# Altium PCB AIM2 REVB.PcbDoc (part 1 of 4)
Units mil, origin at the board's own origin, x right, y up, seen from the top; angles counter-clockwise.
Board outline 3797.01 x 3628.62 mil, 8 copper layers (TOP Copper, Internal Plane 2, Inner Layer 1, Internal Plane 4, Internal Plane 3, Inner Layer 2, Internal Plane 1, BOT Copper), stack 61.4 mil thick; 240 components, 185 nets, 1122 pads, 620 vias.
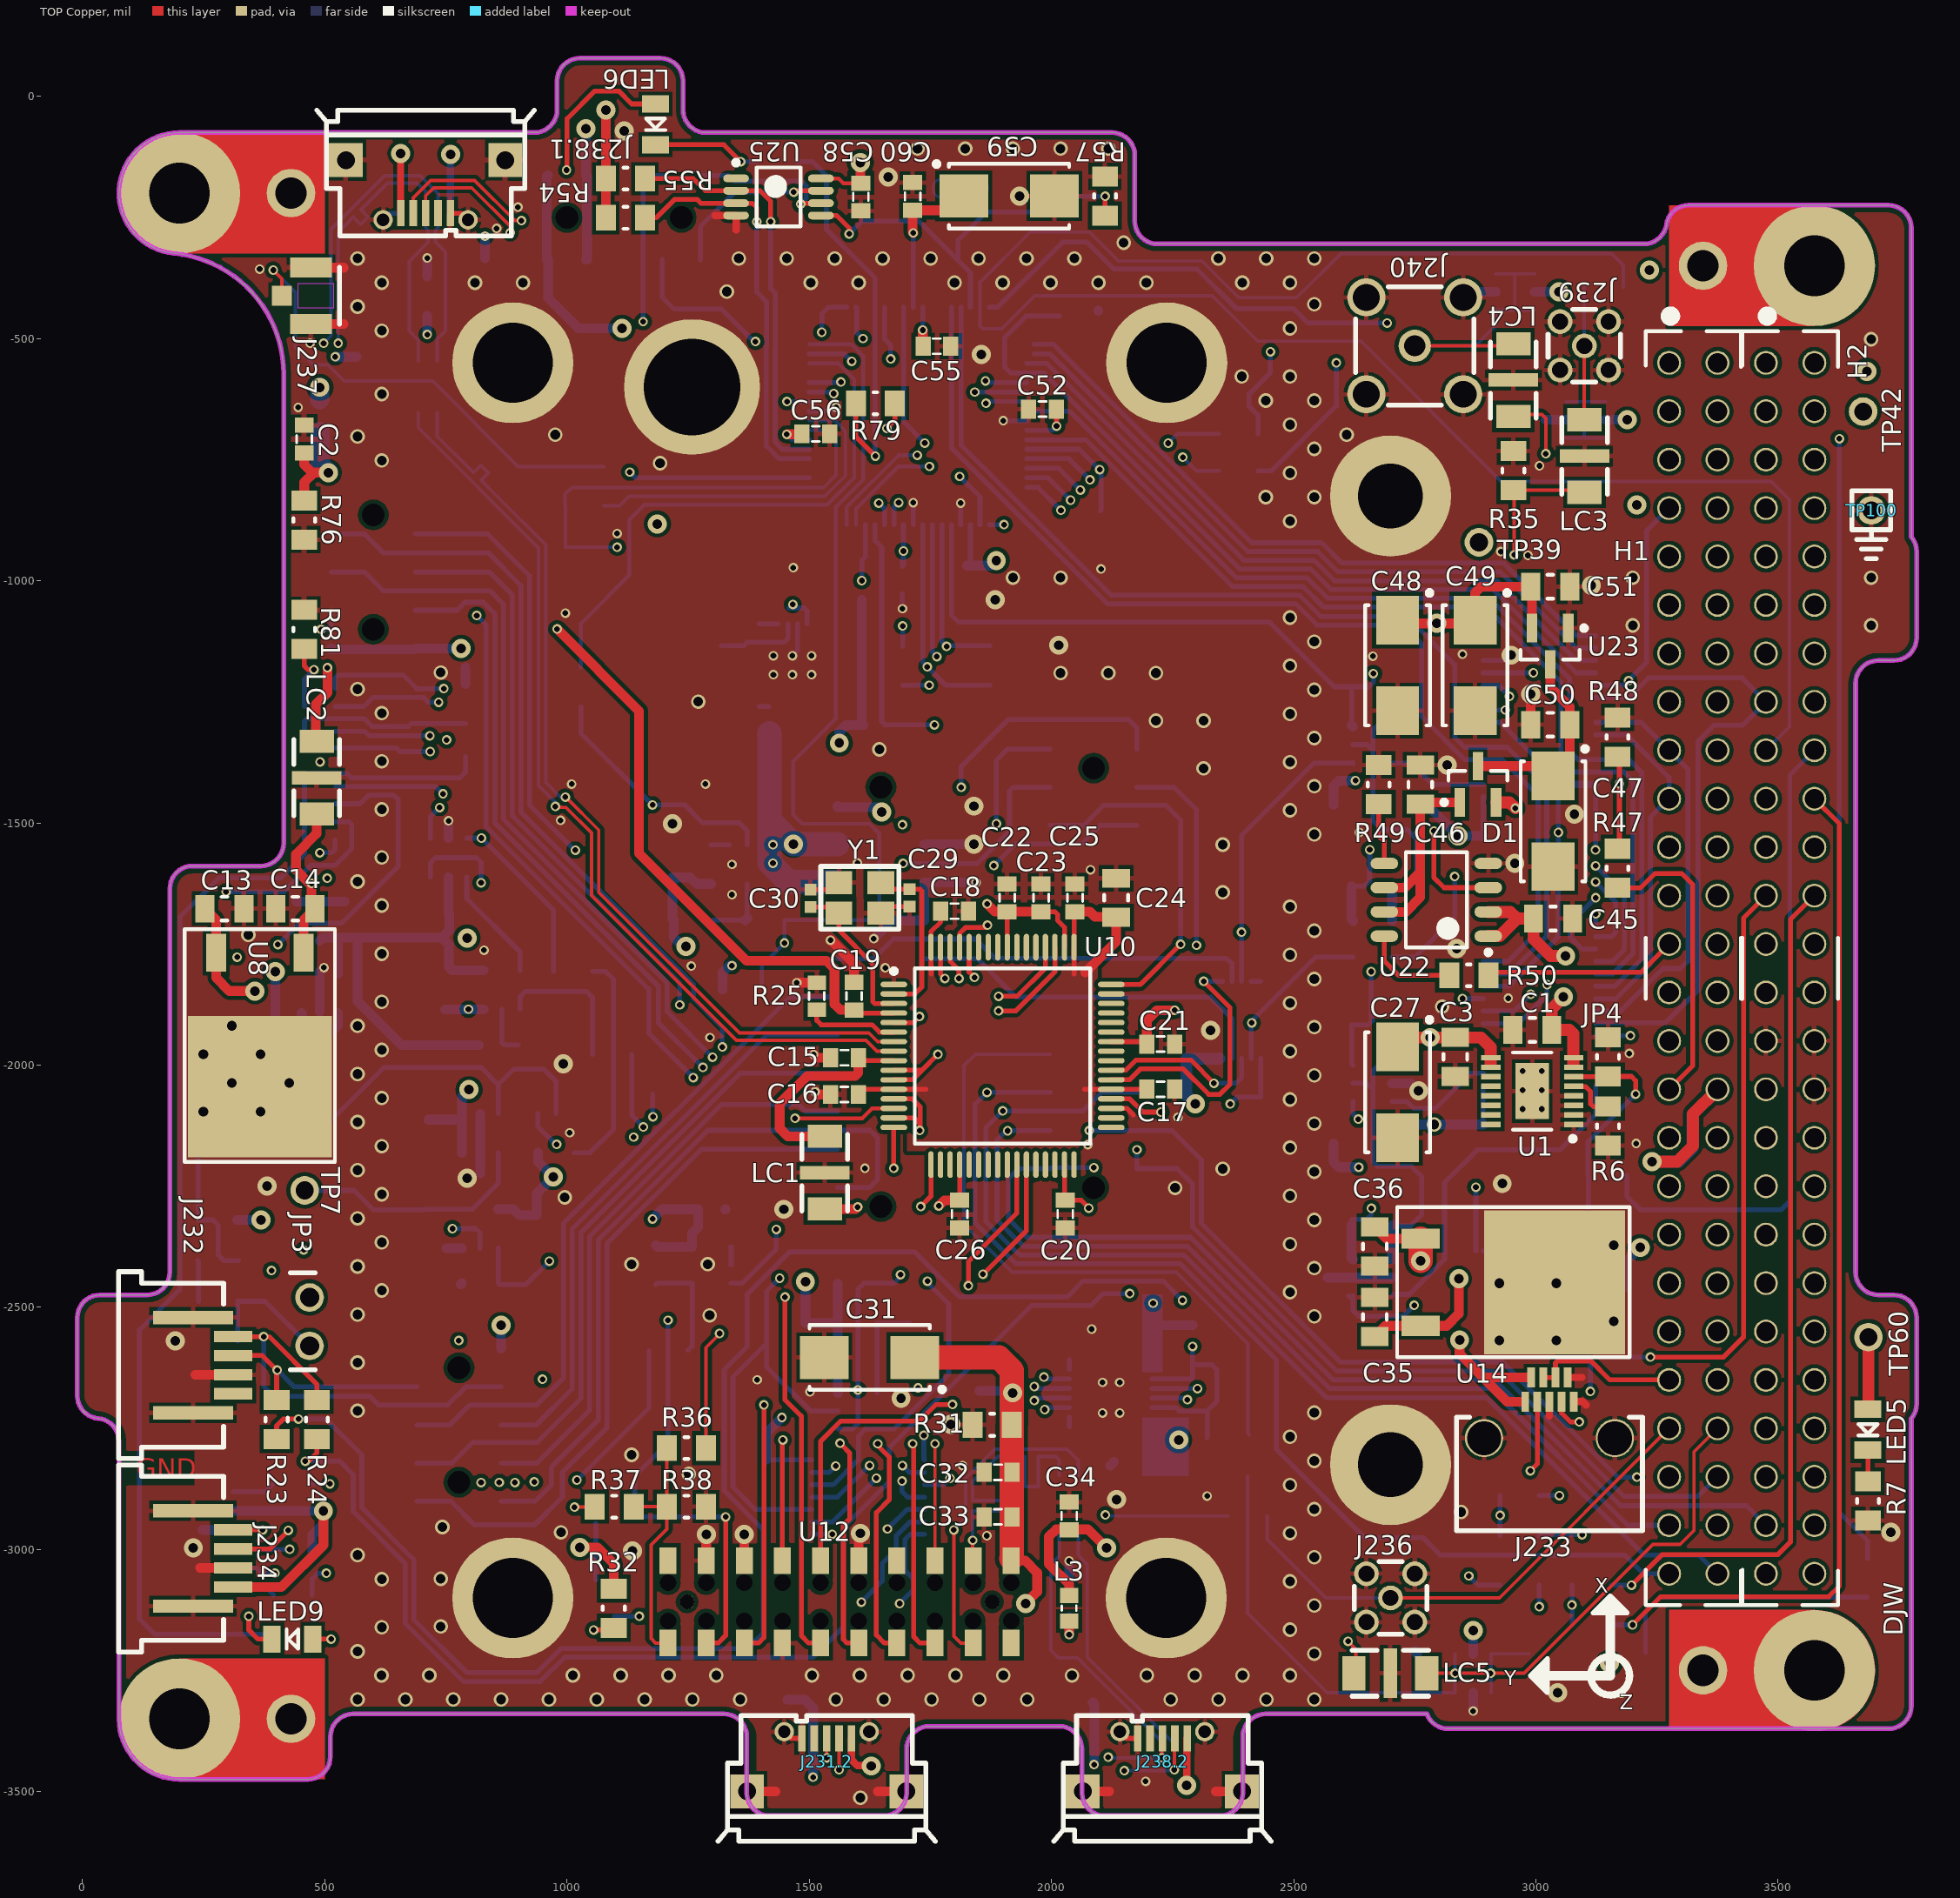
[diagram p0: TOP Copper view]
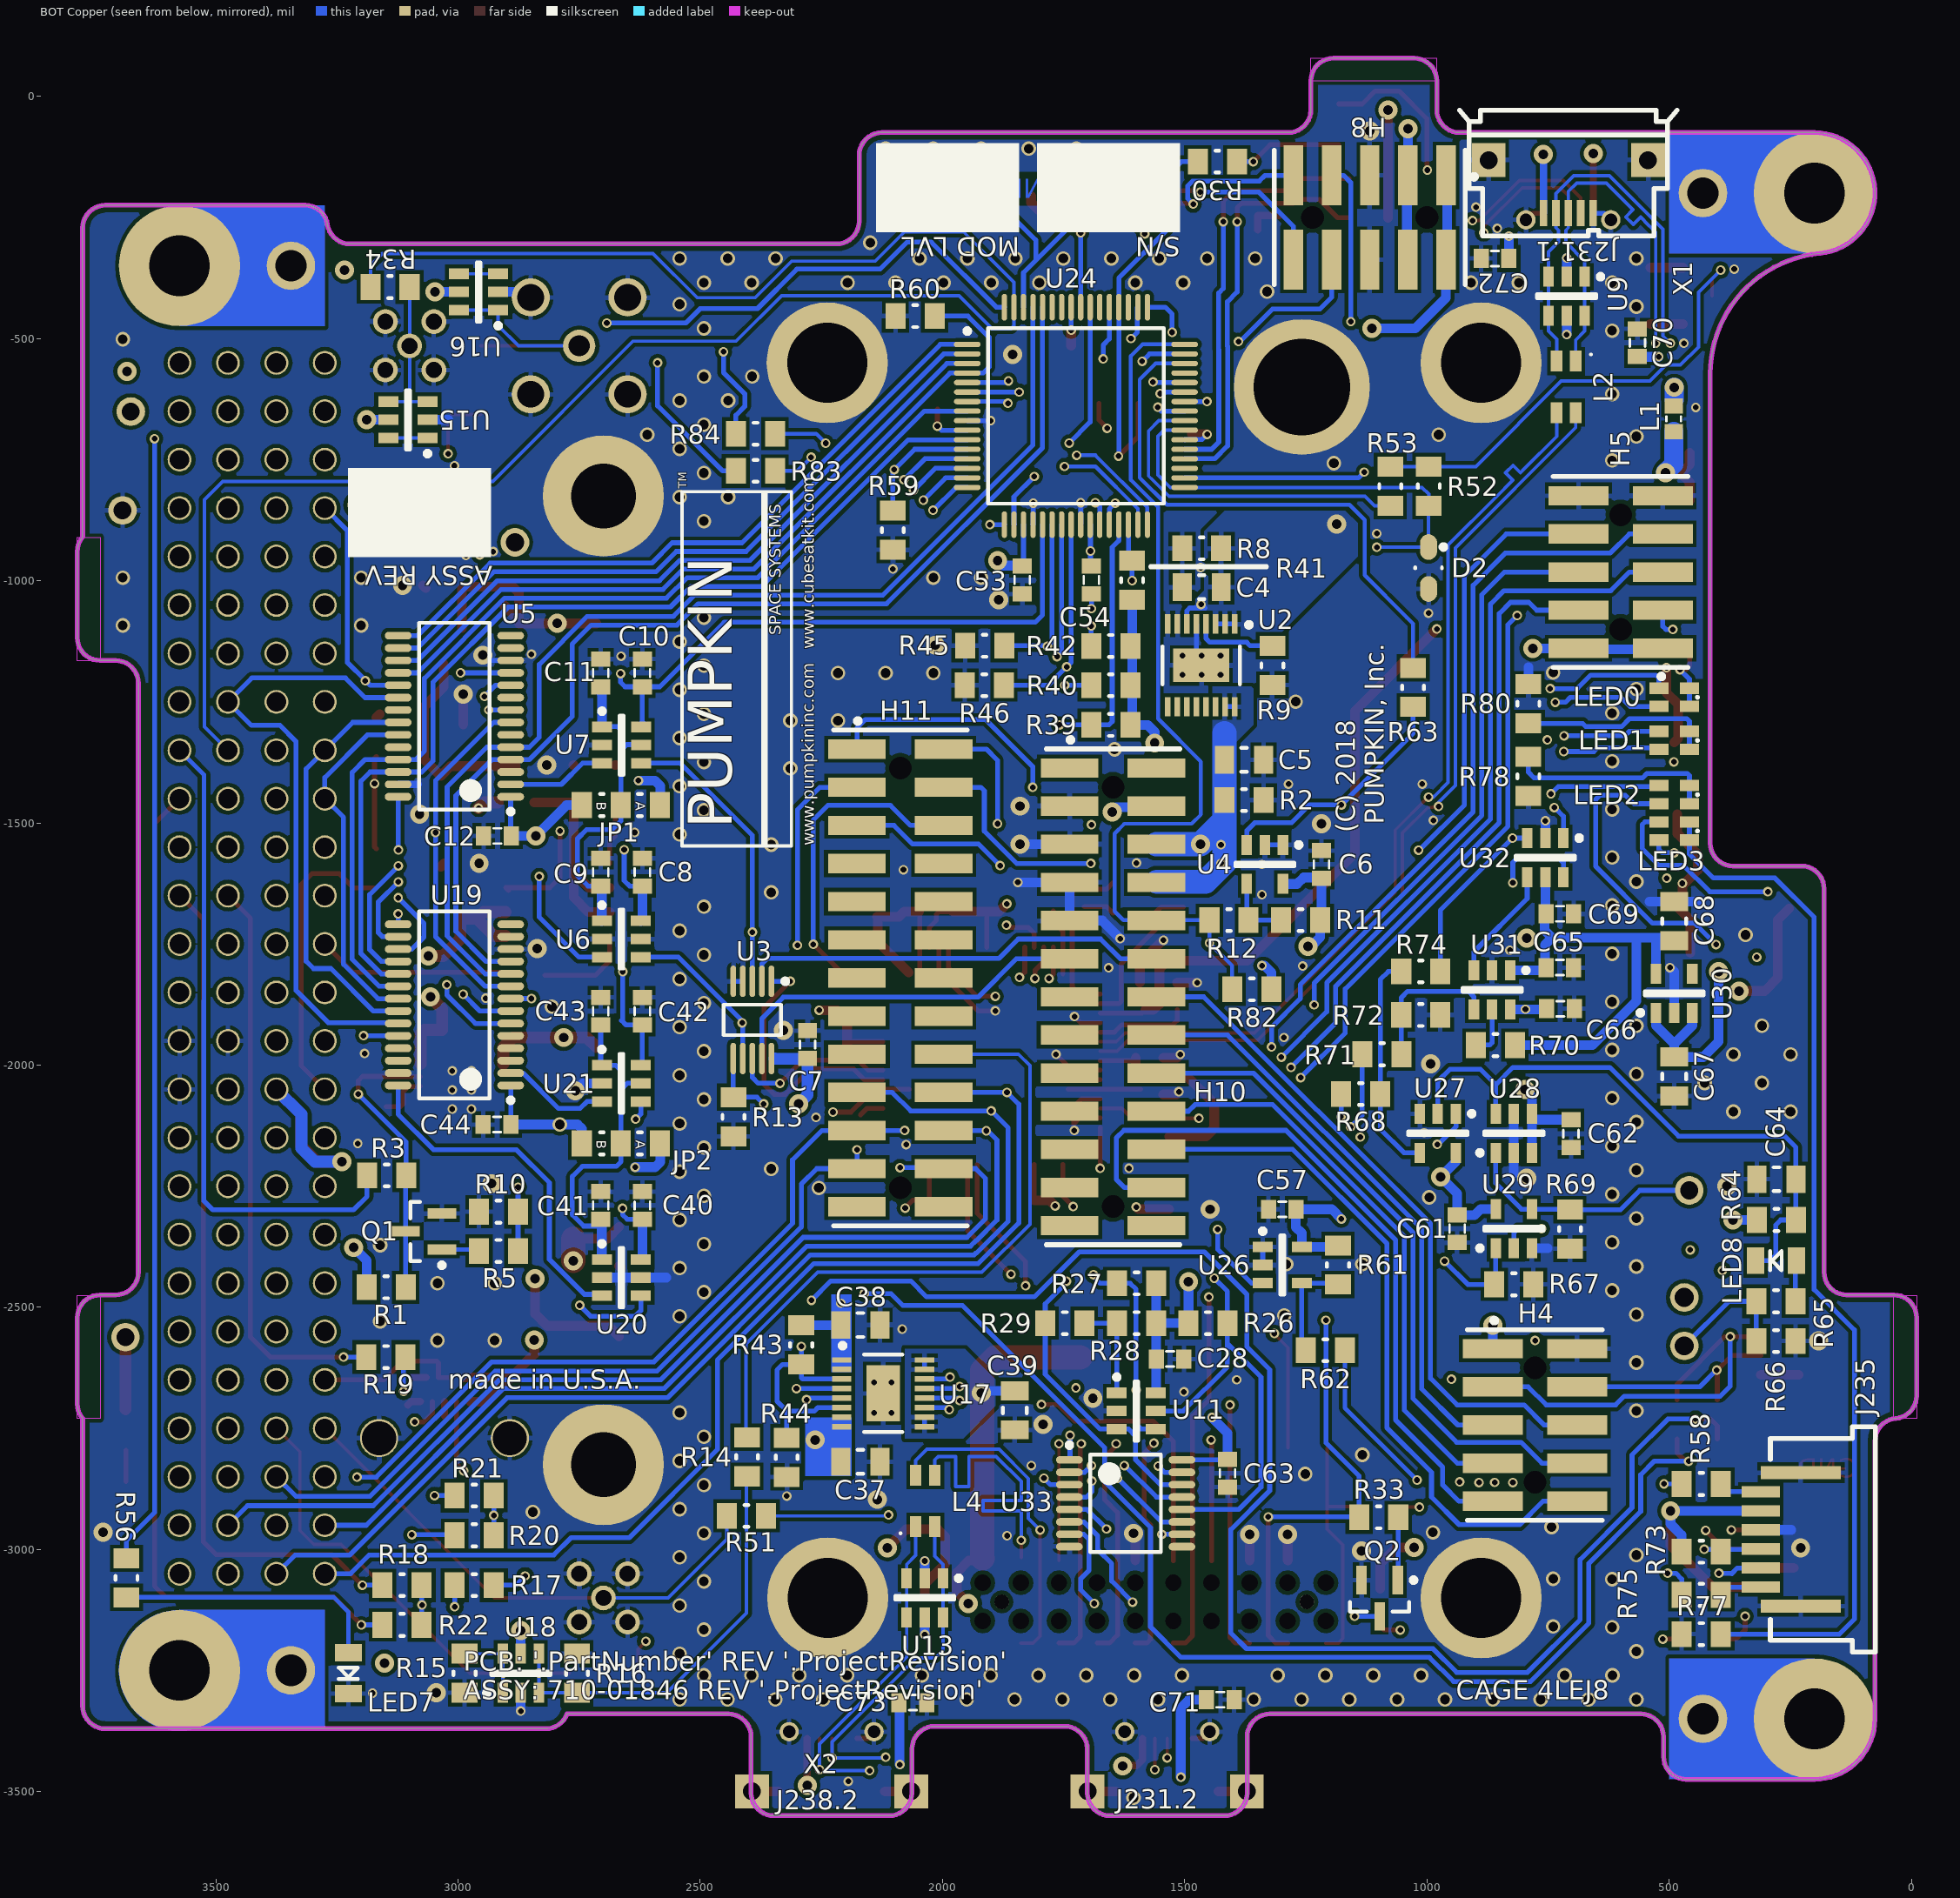
[diagram p1: BOT Copper view, seen from below]
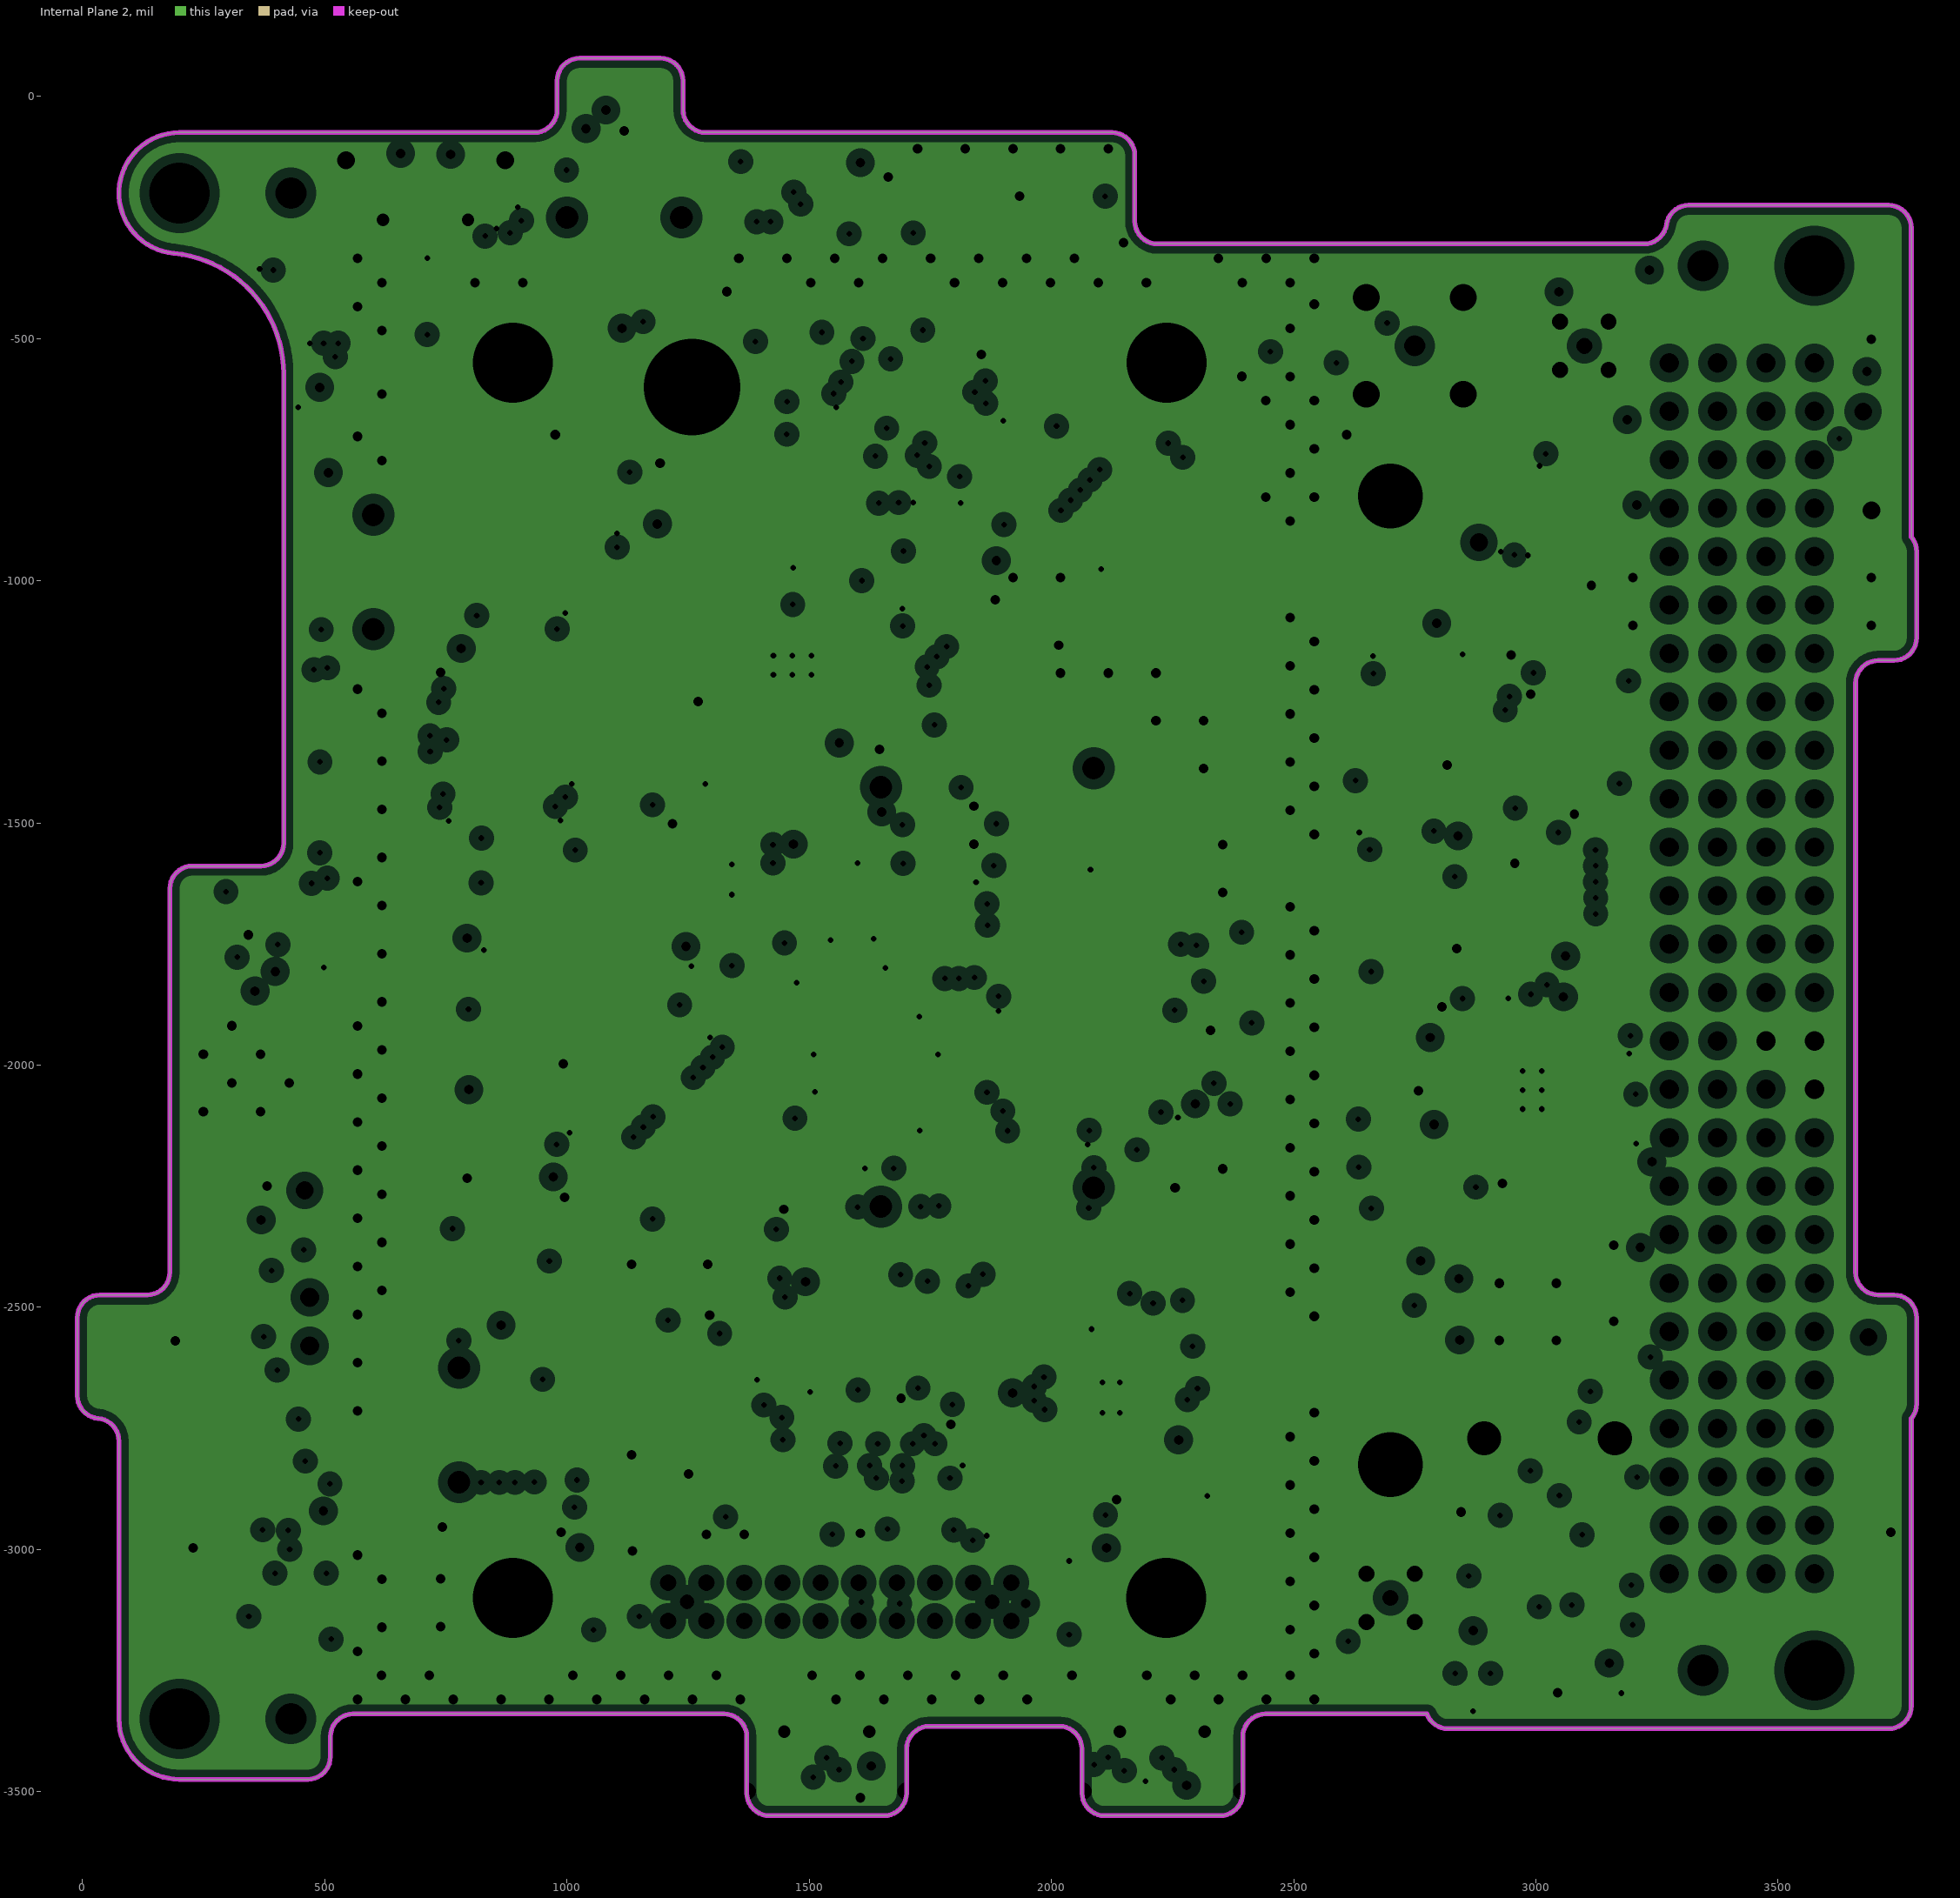
[diagram p2: Internal Plane 2, clearances drawn from the general rule]
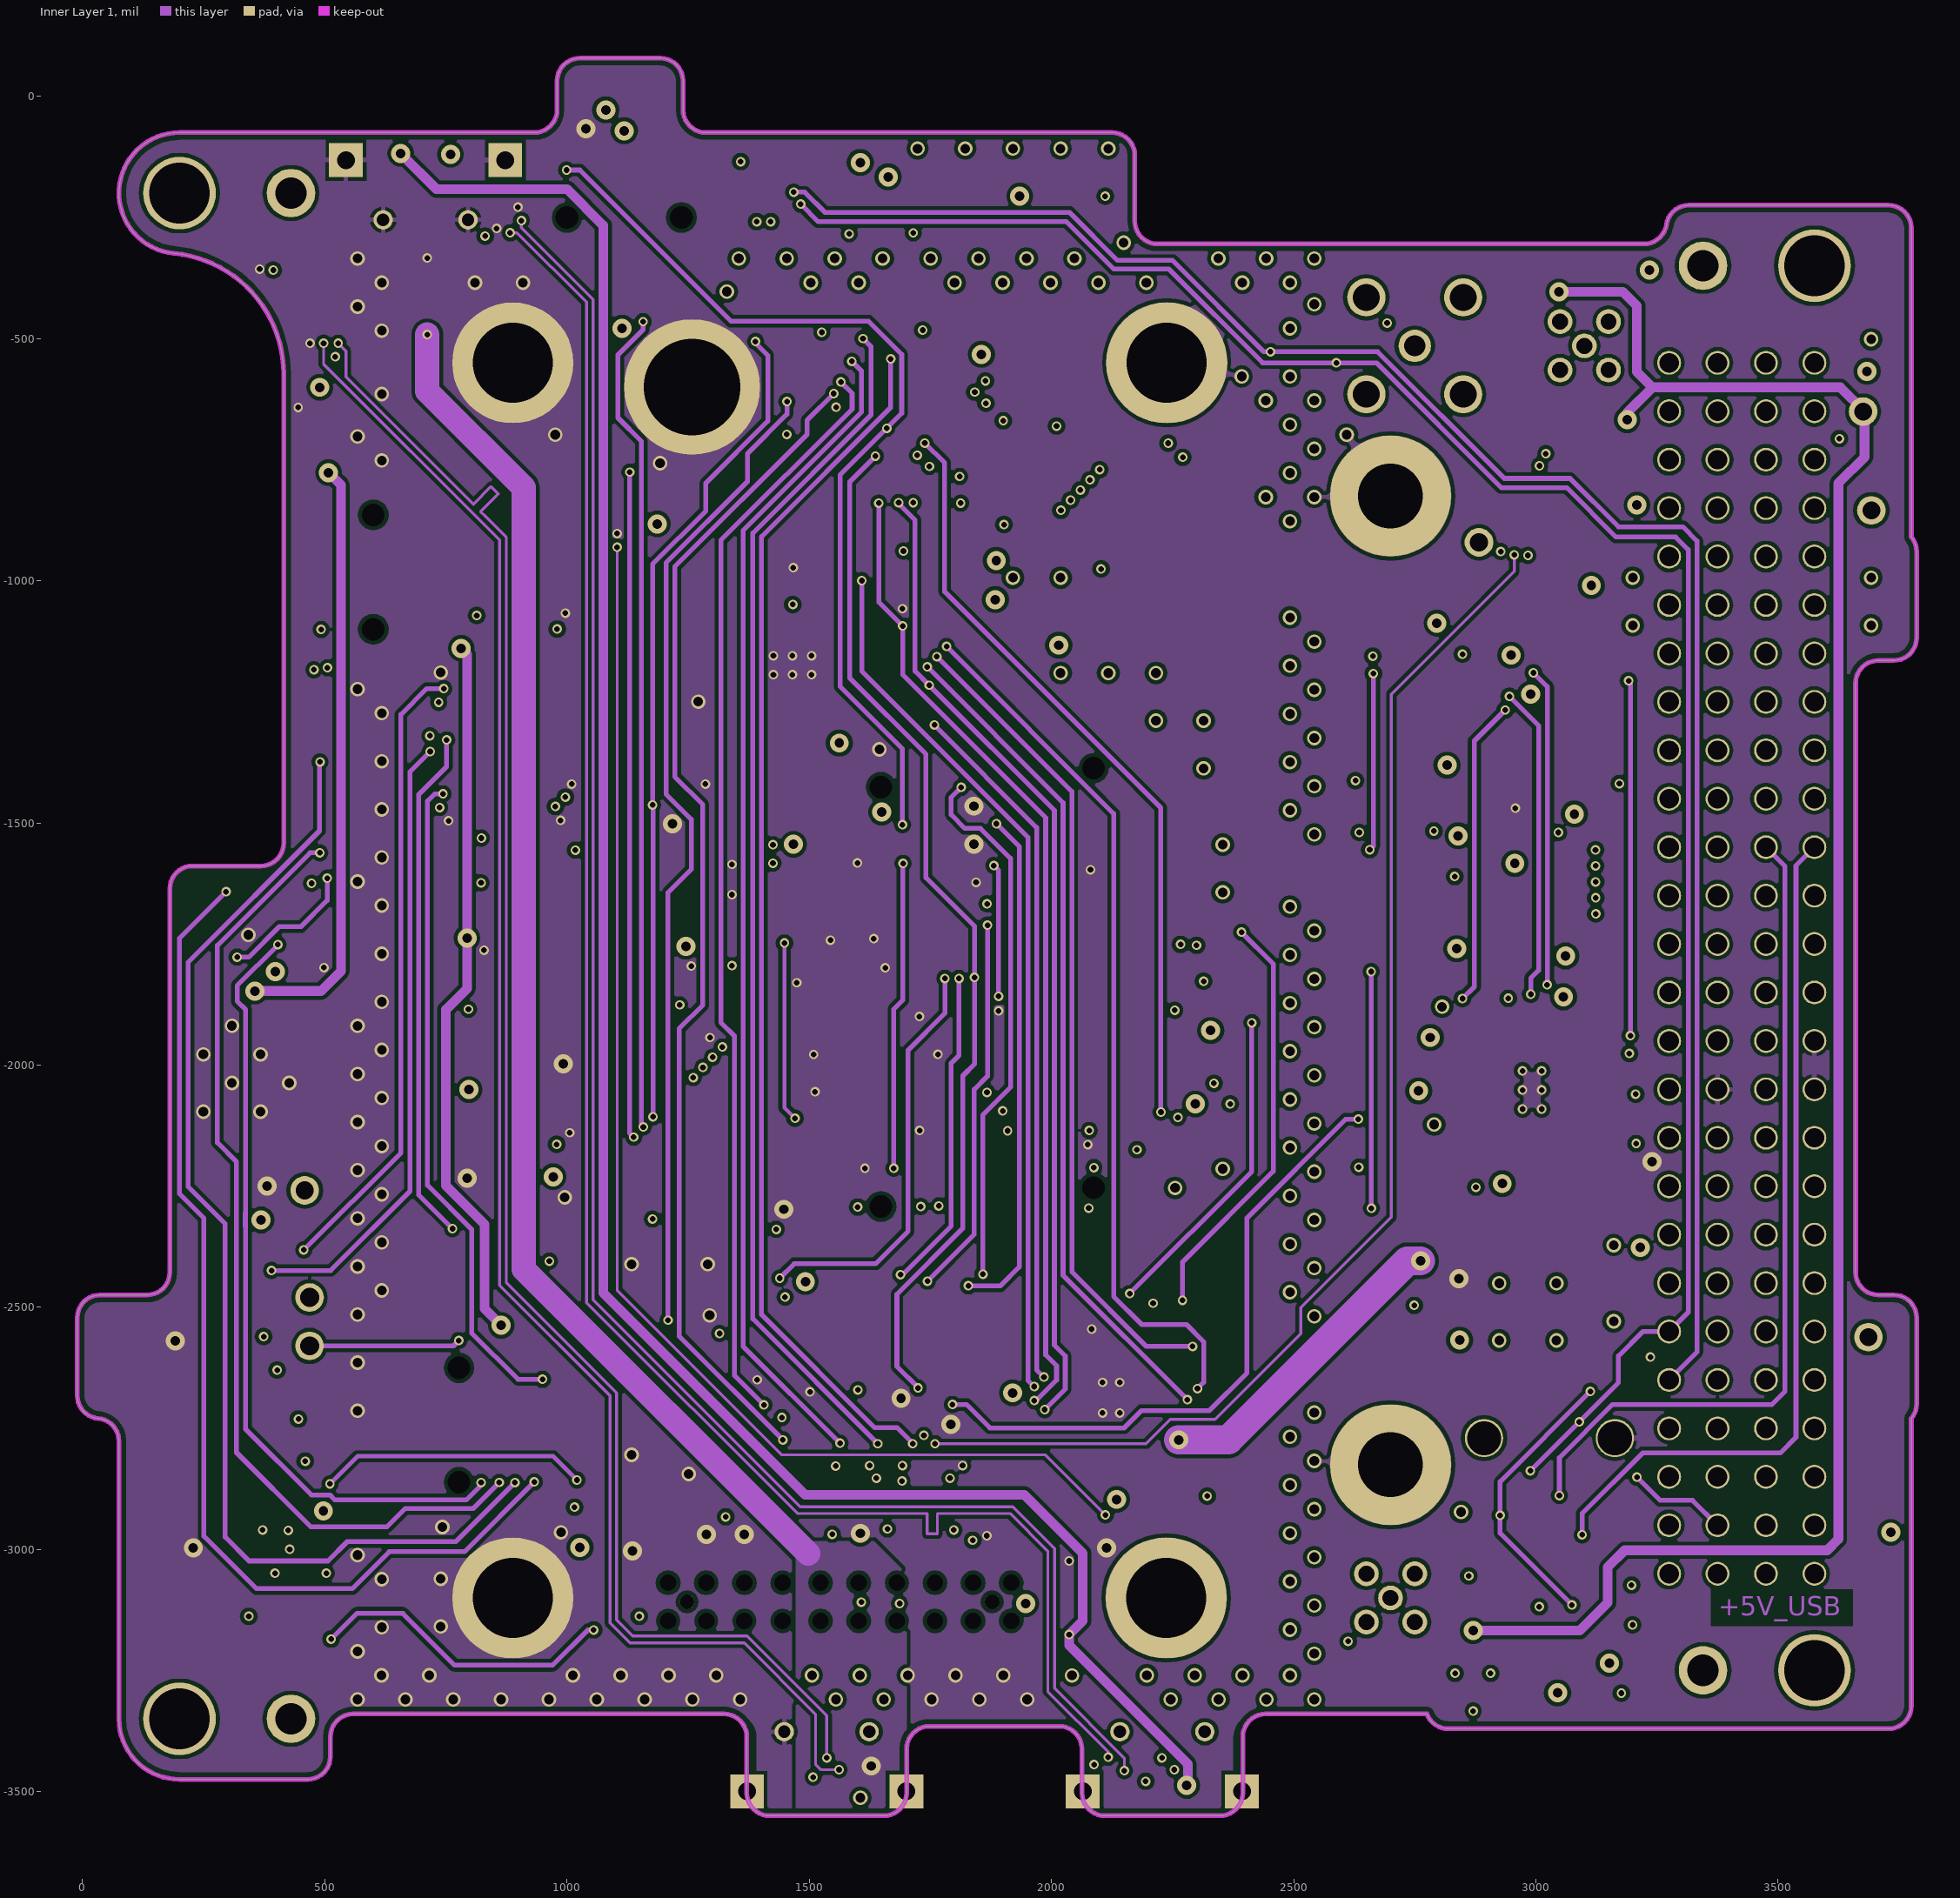
[diagram p3: Inner Layer 1]